# Altium PCB FIRE ARLARM_DEV.PcbDoc (part 1 of 2) (continued)
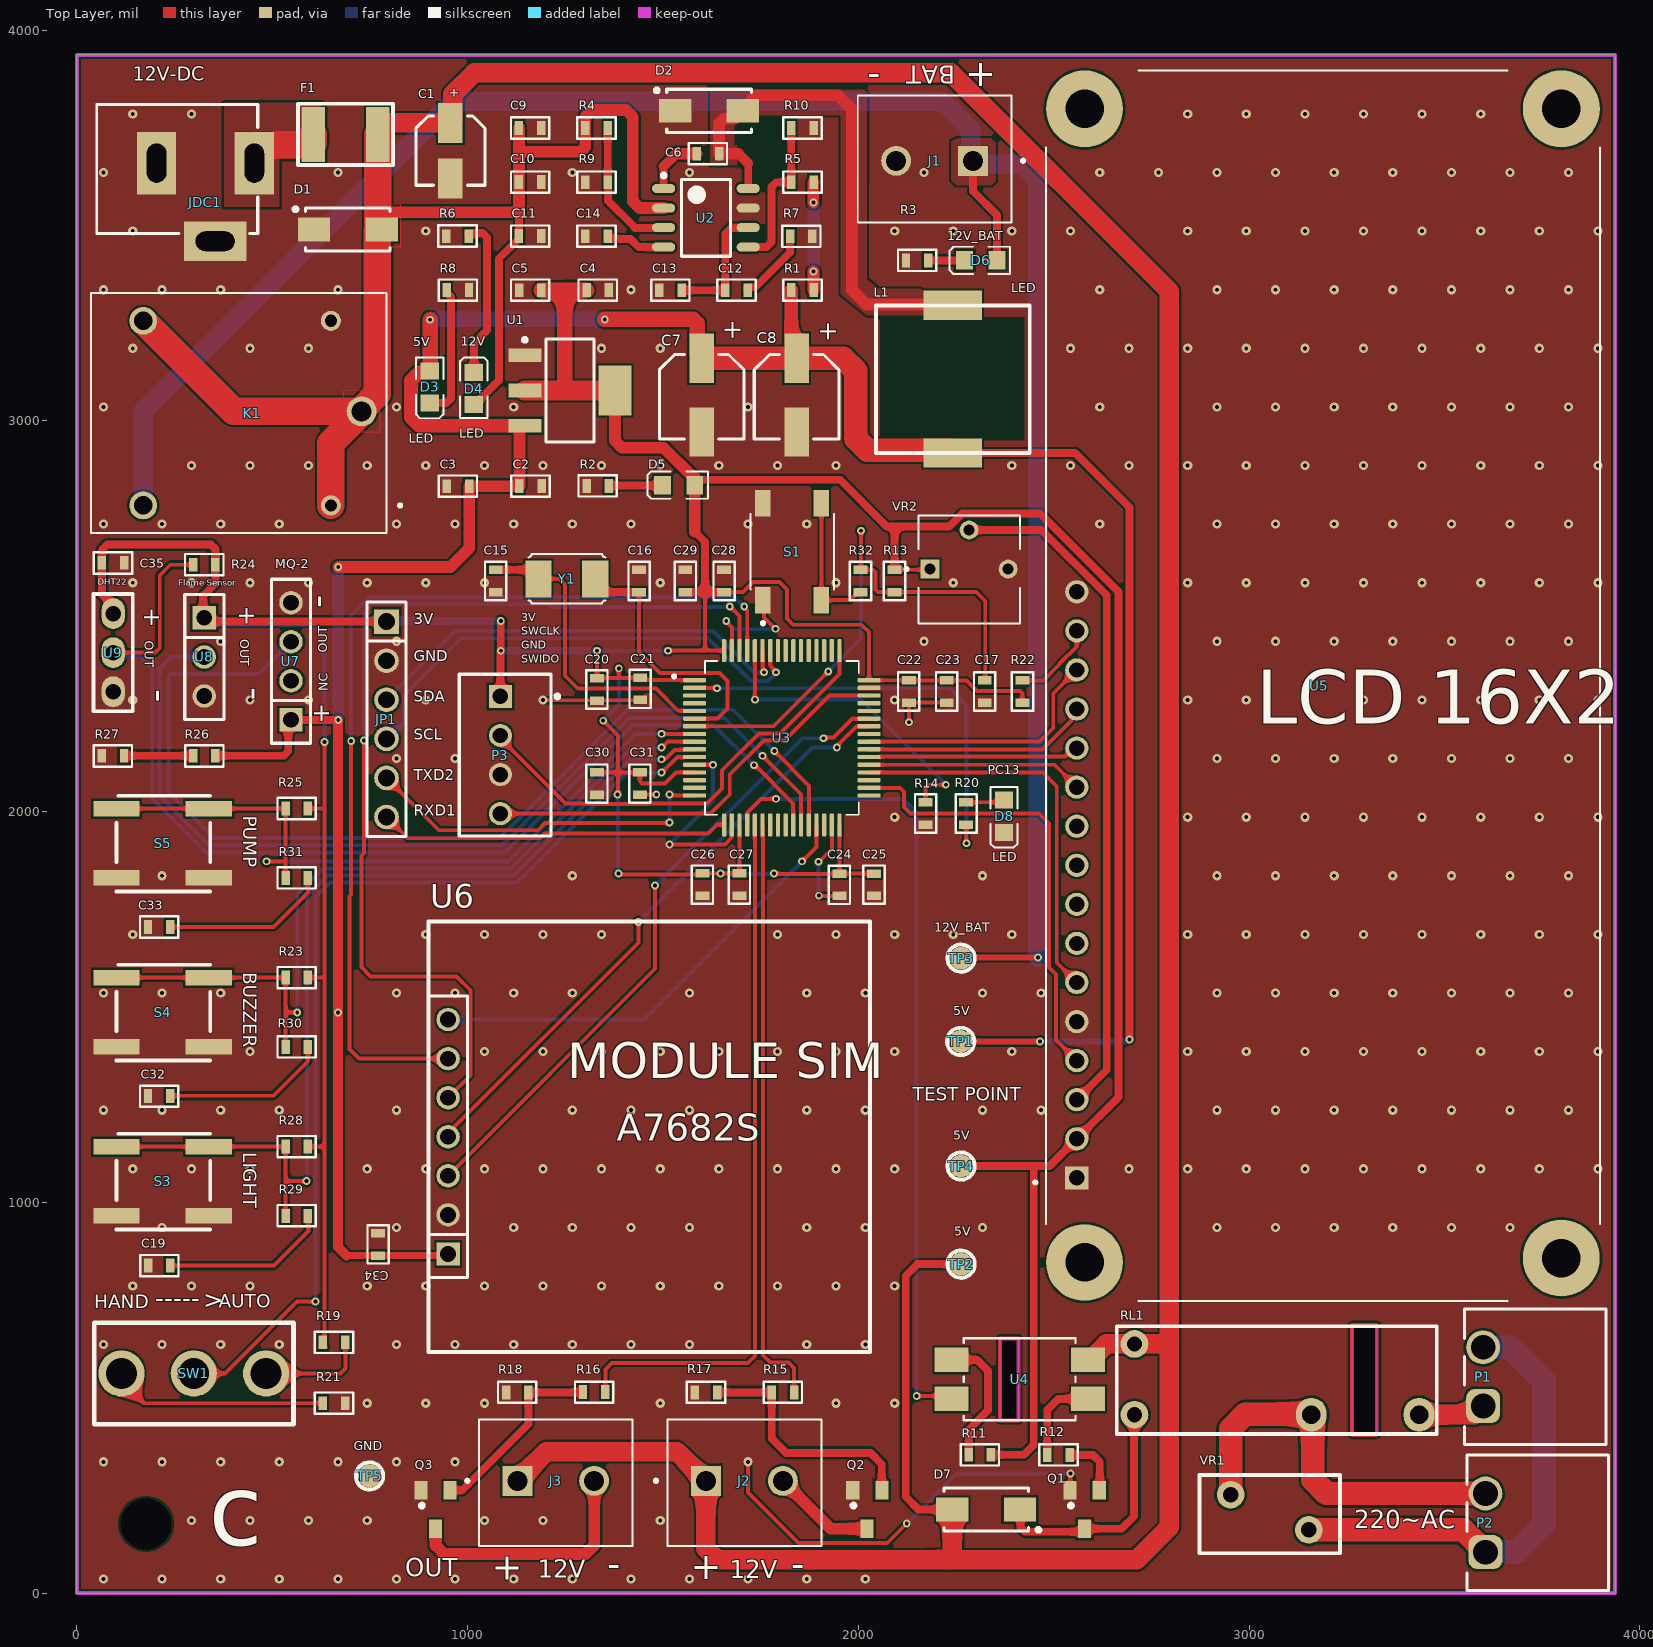
[diagram p0: Top Layer view]
## Part data (continued)
C11 C14: library part 01060310310, "CAP, size 0603, 10nF", Capacitance Tolerance=+/-10%, Operating Temperature="-55 to +125degC", Capacitance=10nF, ComponentLink1Description=Manufacturer, ComponentLink1URL=http://www.we-online.de, ComponentLink2Description=Datasheet, ComponentLink2URL=https://www.we-online.com/catalog/datasheet/885012206089.pdf, Mounting Technology=SMT, Packaging="Tape and Reel", Size=0603, Supply 1 Name="Wurth Elektronik", Supply 1 SN=885012206089, Supply 1 URL=https://www.we-online.com/en/components/products/WCAP-CSGP-50VDC?sq=885012206089#885012206089, Supply 2 Name=Thegioiic, Supply 2 URL=https://www.thegioiic.com/tu-gom-0603-10nf-50v
C13: library part 01060347310, "CAP, size 0603, 47nF", Capacitance=47nF, Capacitance Tolerance=+/-10%, Operating Temperature="-55 to +125degC", ComponentLink1Description=Manufacturer, ComponentLink1URL=http://www.we-online.de, ComponentLink2Description=Datasheet, ComponentLink2URL=https://www.we-online.com/catalog/datasheet/885012206093.pdf, Mounting Technology=SMT, Packaging="Tape and Reel", Size=0603, Supply 1 Name="Wurth Elektronik", Supply 1 SN=885012206093, Supply 1 URL=https://www.we-online.com/en/components/products/WCAP-CSGP-50VDC?sq=885012206093#885012206093, Supply 2 Name=Thegioiic, Supply 2 URL=https://www.thegioiic.com/tu-gom-0603-47nf-50v
C15 C16: library part 01060322010, "CAP, size 0603, 22pF", Capacitance Tolerance=+/-10%, Operating Temperature="-55 to +125degC", Capacitance=22pF, ComponentLink1Description=Manufacturer, ComponentLink1URL=Thegioiic, ComponentLink2Description=Datasheet, Mounting Technology=SMT, Packaging="Tape and Reel", Size=0603, Supply 2 Name=Thegioiic, Supply 2 URL=https://www.thegioiic.com/tu-gom-0603-22pf-50v
C31: library part 01060310510, "CAP, size 0603, 1uF", Capacitance=1uF, Capacitance Tolerance=+/-10%, Operating Temperature="-55 to +125degC", ComponentLink1Description=Manufacturer, ComponentLink1URL=http://www.we-online.de, ComponentLink2Description=Datasheet, ComponentLink2URL=https://www.we-online.com/components/products/datasheet/885012206126.pdf, Mounting Technology=SMT, Packaging="Tape and Reel", Size=0603, Supply 1 Name="Wurth Elektronik", Supply 1 SN=885012206126, Supply 1 URL=https://www.we-online.com/en/components/products/WCAP-CSGP-50VDC?sq=885012206126#885012206126, Supply 2 Name=Thegioiic, Supply 2 URL=https://www.thegioiic.com/tu-gom-0603-1uf-50v
D1 D2: "Schottky Diode", Code_JEDEC=DO-214-AA, LatestRevisionDate=17-Jul-2002, LatestRevisionNote="Re-released for DXP Platform.", PackageDescription="DO-214-AA/SMB; 2 C-Bend Leads; Body 5.3 x 3.6 mm, inc. leads (LxW)", PackageReference=SMB, Published=8-Jun-2000, Publisher="Altium Limited"
D3 D4 D5 D6 D8: "LED"
D7: library part "D Schottky", "Schottky Diode", Code_JEDEC=DO-214-AA, LatestRevisionDate=17-Jul-2002, LatestRevisionNote="Re-released for DXP Platform.", PackageDescription="DO-214-AA/SMB; 2 C-Bend Leads; Body 5.3 x 3.6 mm, inc. leads (LxW)", PackageReference=SMB, Published=8-Jun-2000, Publisher="Altium Limited"
F1: library part 061812200008, "Resettable Fuse, Size 1812, 8V, 2A", Hold Current=2A, Manufacturer=Littelfuse, Threshold Current=100A, Threshold Voltage=8V, Trip Current=4A, ComponentLink1Description="Datasheet link", ComponentLink1URL=https://www.littelfuse.com/~/media/electronics/product_specifications/resettable_ptcs/littelfuse_ptc_minismdc300f_2_product_specification.pdf.pdf, ComponentLink2Description="Supply 1 URL", ComponentLink2URL=https://www.mouser.vn/ProductDetail/Littelfuse/MINISMDC200F-2?qs=F6FIpiMdEVbPu4q%2F42CC1w%3D%3D, ComponentLink3Description="Supply 2 URL", ComponentLink3URL=https://www.digikey.com/en/products/detail/littelfuse-inc/MINISMDC200F-2/1045898?s=N4IgTCBcDaIAQFkCSA5JBlBARAwmADPgGIC0EAugL5A, ComponentLink4Description="Supply 3 URL", ComponentLink4URL=https://www.thegioiic.com/cau-chi-tu-phuc-hoi-1812-8v-2a, Mounting Technology=SMT/SMD, Size=1812, Supply 1 Name=Mouser, Supply 1 SN=650-MINISMDC200F-2, Supply 2 Name=Digikey, Supply 2 SN=MINISMDC200F-2TR-ND, Supply 3 Name=Thegioiic, Supply 3 SN=N/A
J1: "PCB Terminal Screw 5mm 16AWG 400V 17.5A 2 Position COMBICON PT Series", Package=None, Check_prices=https://www.snapeda.com/parts/1935161/Phoenix+Contact/view-part/?ref=eda, MF="Phoenix Contact", MP=1935161, SnapEDA_Link=https://www.snapeda.com/parts/1935161/Phoenix+Contact/view-part/?ref=snap
J2: library part Buzzer_12v
J3: library part Light_12V
JDC1: "Jack DC input"
JP1: library part "JP 1x6 2.54 Duc", "Cắm", Chung_Loai=Cắm, Don_Vi=Con, Ma_Hang=MH000904, Ten_Linh_Kien="Jump Đơn Đực 2.54MM 1x40P Cong Đứng"
K1: "General Purpose Non Latching 12VDC SPDT Through Hole Relays RoHS", Package="NON STANDARD-5 Songle Relay", Check_prices=https://www.snapeda.com/parts/SRD-12VDC-SL-C/Songle+Relay/view-part/?ref=eda, MF="Songle Relay", MP=SRD-12VDC-SL-C, SnapEDA_Link=https://www.snapeda.com/parts/SRD-12VDC-SL-C/Songle+Relay/view-part/?ref=snap
L1: library part 78477410, "WE-PD2A SMT Power Inductor, size 5848, 10uH, 2.2A", DC Resistance max.=0.1Ohm, DC Resistance typ.=0.078Ohm, Inductance=10uH, Manufacturer="Wurth Elektronik", Operating Temperature="-40 to +125degC", Rated Current=2.2A, Rated Voltage=80VDC, Saturation Current=2.5A, Self Resonant Frequency=26MHz, ComponentLink1Description=Manufacturer, ComponentLink1URL=http://www.we-online.de, ComponentLink2Description=Datasheet, ComponentLink2URL=https://www.we-online.com/catalog/datasheet/78477410.pdf, Manufacturer Part Number=78477410, Mounting Technology=SMT, Packaging="Tape and Reel", Published Date="May 2020", Size=5848, Supply 1 Name=Digi-Key, Supply 1 SN=732-6830-2-ND, Supply 1 URL=https://www.digikey.com/en/products/detail/w%C3%BCrth-elektronik/78477410/5168779?s=N4IgTCBcDaIOwA4Asc5IIwAYQF0C%2BQA, Supply 2 Name=Mouser, Supply 2 SN=710-78477410, Supply 2 URL=https://www.mouser.vn/ProductDetail/Wurth-Elektronik/78477410?qs=sBf%2Fb4nBSldlX6CYaJExDg%3D%3D, Supply 3 Name=thegioiic, Supply 3 URL=https://www.thegioiic.com/cuon-cam-dan-smd-cd53-5852-100-10uh-1-8a
P1 P2: "WR-TBL Series 322 Horizontal PCB Header, THT, pitch 3.81mm, 2p", Manufacturer="Wurth Elektronik", Operating Temperature Max=105°C, Operating Temperature Min=-40°C, Rated Current=10A, Working Voltage=300V, Application=Pluggable, Category="Terminal Blocks", ComponentLink1Description="Website Link", ComponentLink1URL=https://www.we-online.com/redexpert/article/691322310002?ad, ComponentLink2Description="Datasheet Link", ComponentLink2URL=https://www.we-online.com/redexpert/spec/691322310002?ad, Manufacturer Part Number=691322310002, Match Code=WR-TBL, Modularity=No, Mount="Through Hole", Number of Pins=2, Number of Rows=1, Orientation=Horizontal, Packaging=Box, Pitch=3.81mm, Supply 3 Name=ThegioiIC, Supply 3 URL 1=https://www.thegioiic.com/kf-3-81-2-r-terminal-block-plug-in-han-pcb-2-chan-cong-3-81mm-300v-10a, Supply 3 URL 2=https://www.thegioiic.com/ul-3-81-2-r-terminal-block-plug-in-han-pcb-2-chan-cong-3-81mm-300v-10a-ulo
P3: library part 61900411121, "WR-WTB THT Male Vertical Locking Header, pitch 2.54mm, 4p", Contact Resistance=20mOhm, Operating Temperature="-40 to +105degC", Rated Current=3A, Withstanding Voltage=1000VAC, Working Voltage=250VAC, ComponentLink1Description=Manufacturer, ComponentLink1URL=http://www.we-online.de, ComponentLink2Description=Datasheet, ComponentLink2URL=https://www.we-online.com/catalog/datasheet/61900411121.pdf, Gender=Male, Mounting Technology=THT, Packaging=Bag, Part Number=61900411121, Pin Number=4, Pitch=2.54mm, Published Date="January 2020", Publisher="Wurth Elektronik", Type=Vertical
Q1: library part BC817, "NPN Bipolar Transistor"
Q2 Q3: "NPN Bipolar Transistor"
R1: library part 0006030001, "RES, 0 Ohm, size 0603, 1%", Rated Power="1/4 W", Resistance=2.5K, Resistance tolerance=+/-5%, ComponentLink1Description="Datasheet link", Mounting Technology=SMT, Size=0603
R2: library part 0006032525, "RES, 2.5K Ohm, size 0603, 5%", Rated Power="1/4 W", Resistance=2.5K, Resistance tolerance=+/-5%, ComponentLink1Description="Datasheet link", Mounting Technology=SMT, Size=0603
R3 R6 R8: library part 0006035621, "RES, 5.6k Ohm, size 0603, 1%", Rated Power=1/4W, Resistance Tolerant=+/-1%, ComponentLink1Description="Datasheet link", ComponentLink1URL=https://api.pim.na.industrial.panasonic.com/file_stream/main/fileversion/4484, ComponentLink2Description="Supply 1 URL", ComponentLink2URL=https://www.mouser.vn/ProductDetail/Panasonic/ERJ-UP3F5601V?qs=sGAEpiMZZMvdGkrng054twq3eZrCFN89ezYxgAsnxBTZYD17cS%252B65A%3D%3D, ComponentLink3Description="Supply 2 URL", ComponentLink3URL=https://www.digikey.com/en/products/detail/panasonic-electronic-components/ERJ-UP3F5601V/12092890, Mounting Technology=SMT, Resistance=5.6k, Size=0603, Supply 1 Name=Mouser, Supply 1 SN=667-ERJ-UP3F5601V, Supply 2 Name=Digikey, Supply 2 SN="10-ERJ-UP3F5601VTR-ND 10-ERJ-UP3F5601VCT-ND 10-ERJ-UP3F5601VDKR-ND"
R4: library part 0006031041, "RES, 100k Ohm, size 0603, 1%", Rated Power=1/4W, Resistance Tolerant=+/-1%, ComponentLink1Description="Datasheet link", ComponentLink1URL=https://www.yageo.com/upload/media/product/productsearch/datasheet/rchip/PYu-SR_20105_RoHS_L_10.pdf, ComponentLink2Description="Supply 1 URL", ComponentLink2URL=https://www.mouser.vn/ProductDetail/YAGEO/SR0603FR-7T100KL?qs=sGAEpiMZZMvdGkrng054tz1y1XEHv7sNa%252BA%2F4WiDMf7aGw4zRBb%2FFQ%3D%3D, ComponentLink3Description="Supply 2 URL", ComponentLink3URL=https://www.digikey.com/en/products/detail/yageo/SR0603FR-7T100KL/9373095, Mounting Technology=SMT, Resistance=100k, Size=0603, Supply 1 Name=Mouser, Supply 1 SN=603-SR0603FR-7T100KL, Supply 2 Name=Digikey, Supply 2 SN="YAG5821TR-ND YAG5821CT-ND YAG5821DKR-ND"
R5: library part 0006038251, "RES, 8.2 kOhms, size 0603, 1%", Rated Power="1/4 W", Resistance=8.2K, Resistance tolerance=+/-1%, ComponentLink1Description="Datasheet link", Mounting Technology=SMT, Size=0603, Supply 1 Name=Mouser, Supply 1 SN=660-HV731JTTD8204F, Supply 1 URL=https://www.mouser.vn/ProductDetail/KOA-Speer/HV731JTTD8204F?qs=ZqVPfSd1khqN0teaqWW7DA%3D%3D, Supply 2 Name=Digi-Key, Supply 2 SN=13-RC0603FR-078M2LTR-ND, Supply 2 URL=https://www.digikey.com/en/products/detail/yageo/RC0603FR-078M2L/5918418
R7: library part 0006033205, "RES, 30k Ohm, size 0603, 1%", Rated Power="1/4 W", Resistance tolerance=+/-1%, ComponentLink1Description="Datasheet link", Mounting Technology=SMT, Resistance=30k, Size=0603
R9: library part 0006032031, "RES, 20 kOhms, size 0603, 1%", Rated Power="1/4 W", Resistance="20 k", Resistance tolerance=+/-1%, ComponentLink1Description="Datasheet link", Mounting Technology=SMT, Size=0603, Supply 1 Name=Mouser, Supply 1 SN=667-ERJ-S03F2002V, Supply 1 URL=https://www.mouser.vn/ProductDetail/Panasonic/ERJ-S03F2002V?qs=Zyl8A9hlmJopfTdqNIDujw%3D%3D, Supply 2 Name=Digi-Key, Supply 2 SN=13-RC0603FR-1320KLTR-ND, Supply 2 URL=https://www.digikey.com/en/products/detail/yageo/RC0603FR-1320KL/13694225
R10 R20: library part 0006031521, "RES, 1.5 kOhms, size 0603, 1%", Rated Power="1/4 W", Resistance="1.5 k", Resistance tolerance=+/-1%, ComponentLink1Description="Datasheet link", Mounting Technology=SMT, Size=0603, Supply 1 Name=Mouser, Supply 1 SN=755-SFR03EZPF1501, Supply 1 URL=https://www.mouser.vn/ProductDetail/ROHM-Semiconductor/SFR03EZPF1501?qs=byeeYqUIh0NryWvnzlukLQ%3D%3D, Supply 2 Name=Digi-Key, Supply 2 SN=13-RC0603FR-071R5LTR-ND, Supply 2 URL=https://www.digikey.com/en/products/detail/yageo/RC0603FR-071R5L/5918292
R11: library part 0006032211, "RES, 220 Ohm, size 0603, 1%", Rated Power=1/4W, Resistance Tolerant=+/-1%, ComponentLink1Description="Datasheet link", ComponentLink1URL=https://api.pim.na.industrial.panasonic.com/file_stream/main/fileversion/4484, ComponentLink2Description="Supply 1 URL", ComponentLink2URL=https://www.mouser.vn/ProductDetail/Panasonic/ERJ-UP3F2200V?qs=sGAEpiMZZMvdGkrng054twq3eZrCFN89E%252BhCXuCu3h8RslmTO1I28Q%3D%3D, ComponentLink3Description="Supply 2 URL", ComponentLink3URL=https://www.digikey.com/en/products/detail/panasonic-electronic-components/ERJ-UP3F2200V/12092129, Mounting Technology=SMT, Resistance=220, Size=0603, Supply 1 Name=Mouser, Supply 1 SN=667-ERJ-UP3F2200V, Supply 2 Name=Digikey, Supply 2 SN="10-ERJ-UP3F2200VTR-ND 10-ERJ-UP3F2200VCT-ND 10-ERJ-UP3F2200VDKR-ND"
R12: library part 0006032221, "RES, 2.2k Ohm, size 0603, 1%", Rated Power=1/4W, Resistance Tolerant=+/-1%, ComponentLink1Description="Datasheet link", ComponentLink1URL=https://api.pim.na.industrial.panasonic.com/file_stream/main/fileversion/4484, ComponentLink2Description="Supply 1 URL", ComponentLink2URL=https://www.mouser.vn/ProductDetail/Panasonic/ERJ-UP3F2201V?qs=sGAEpiMZZMvdGkrng054twq3eZrCFN89KeaXYJ5LTWyJgfuuVVfZrw%3D%3D, ComponentLink3Description="Supply 2 URL", ComponentLink3URL=https://www.digikey.com/en/products/detail/panasonic-electronic-components/ERJ-UP3F2201V/12092708, ComponentLink4Description="Supply 3 URL", ComponentLink4URL=https://www.thegioiic.com/dien-tro-2-2-kohm-0603-1, Mounting Technology=SMT, Resistance=2.2k, Size=0603, Supply 1 Name=Mouser, Supply 1 SN=667-ERJ-UP3F2201V, Supply 2 Name=Digikey, Supply 2 SN="10-ERJ-UP3F2201VTR-ND 10-ERJ-UP3F2201VCT-ND 10-ERJ-UP3F2201VDKR-ND", Supply 3 Name=thegioiic, Supply 3 SN=NA
R13 R14 R19 R23 R25 R28: library part 0006031031, "RES, 10k Ohm, size 0603, 1%", Rated Power=1/4W, Resistance Tolerant=+/-1%, ComponentLink1Description="Datasheet link", ComponentLink1URL=https://fscdn.rohm.com/en/products/databook/datasheet/passive/resistor/chip_resistor/esr-e.pdf, ComponentLink2Description="Supply 1 URL", ComponentLink2URL=https://www.mouser.vn/ProductDetail/ROHM-Semiconductor/ESR03EZPF1002?qs=sGAEpiMZZMvdGkrng054t67Efho1F8r6CDeAsqwFse8%3D, ComponentLink3Description="Supply 2 URL", ComponentLink3URL=https://www.digikey.com/en/products/detail/rohm-semiconductor/ESR03EZPF1002/1983429, Mounting Technology=SMT, Resistance=10k, Size=0603, Supply 1 Name=Mouser, Supply 1 SN=755-ESR03EZPF1002, Supply 2 Name=Digikey, Supply 2 SN="RHM10KADTR-ND RHM10KADCT-ND RHM10KADDKR-ND"
R15: library part 0006032221, "RES, 75 Ohm, size 0603, 1%", Rated Power=1/4W, Resistance=2.2k, Resistance Tolerant=+/-1%, ComponentLink1Description="Datasheet link", ComponentLink1URL=https://api.pim.na.industrial.panasonic.com/file_stream/main/fileversion/4484, ComponentLink2Description="Supply 1 URL", ComponentLink2URL=https://www.mouser.vn/ProductDetail/Panasonic/ERJ-UP3F2201V?qs=sGAEpiMZZMvdGkrng054twq3eZrCFN89KeaXYJ5LTWyJgfuuVVfZrw%3D%3D, ComponentLink3Description="Supply 2 URL", ComponentLink3URL=https://www.digikey.com/en/products/detail/panasonic-electronic-components/ERJ-UP3F2201V/12092708, ComponentLink4Description="Supply 3 URL", ComponentLink4URL=https://www.thegioiic.com/dien-tro-2-2-kohm-0603-1, Mounting Technology=SMT, Size=0603, Supply 1 Name=Mouser, Supply 1 SN=667-ERJ-UP3F2201V, Supply 2 Name=Digikey, Supply 2 SN="10-ERJ-UP3F2201VTR-ND 10-ERJ-UP3F2201VCT-ND 10-ERJ-UP3F2201VDKR-ND", Supply 3 Name=thegioiic, Supply 3 SN=NA
R16: library part 0006032221, "RES, 1.2k Ohm, size 0603, 1%", Rated Power=1/4W, Resistance=2.2k, Resistance Tolerant=+/-1%, ComponentLink1Description="Datasheet link", ComponentLink1URL=https://api.pim.na.industrial.panasonic.com/file_stream/main/fileversion/4484, ComponentLink2Description="Supply 1 URL", ComponentLink2URL=https://www.mouser.vn/ProductDetail/Panasonic/ERJ-UP3F2201V?qs=sGAEpiMZZMvdGkrng054twq3eZrCFN89KeaXYJ5LTWyJgfuuVVfZrw%3D%3D, ComponentLink3Description="Supply 2 URL", ComponentLink3URL=https://www.digikey.com/en/products/detail/panasonic-electronic-components/ERJ-UP3F2201V/12092708, ComponentLink4Description="Supply 3 URL", ComponentLink4URL=https://www.thegioiic.com/dien-tro-2-2-kohm-0603-1, Mounting Technology=SMT, Size=0603, Supply 1 Name=Mouser, Supply 1 SN=667-ERJ-UP3F2201V, Supply 2 Name=Digikey, Supply 2 SN="10-ERJ-UP3F2201VTR-ND 10-ERJ-UP3F2201VCT-ND 10-ERJ-UP3F2201VDKR-ND", Supply 3 Name=thegioiic, Supply 3 SN=NA
R17 R18: library part 0006032221, "RES, 10k Ohm, size 0603, 1%", Rated Power=1/4W, Resistance=2.2k, Resistance Tolerant=+/-1%, ComponentLink1Description="Datasheet link", ComponentLink1URL=https://api.pim.na.industrial.panasonic.com/file_stream/main/fileversion/4484, ComponentLink2Description="Supply 1 URL", ComponentLink2URL=https://www.mouser.vn/ProductDetail/Panasonic/ERJ-UP3F2201V?qs=sGAEpiMZZMvdGkrng054twq3eZrCFN89KeaXYJ5LTWyJgfuuVVfZrw%3D%3D, ComponentLink3Description="Supply 2 URL", ComponentLink3URL=https://www.digikey.com/en/products/detail/panasonic-electronic-components/ERJ-UP3F2201V/12092708, ComponentLink4Description="Supply 3 URL", ComponentLink4URL=https://www.thegioiic.com/dien-tro-2-2-kohm-0603-1, Mounting Technology=SMT, Size=0603, Supply 1 Name=Mouser, Supply 1 SN=667-ERJ-UP3F2201V, Supply 2 Name=Digikey, Supply 2 SN="10-ERJ-UP3F2201VTR-ND 10-ERJ-UP3F2201VCT-ND 10-ERJ-UP3F2201VDKR-ND", Supply 3 Name=thegioiic, Supply 3 SN=NA
R21 R26: library part 0006031031, "RES, 1k Ohm, size 0603, 1%", Rated Power=1/4W, Resistance=10k, Resistance Tolerant=+/-1%, ComponentLink1Description="Datasheet link", ComponentLink1URL=https://fscdn.rohm.com/en/products/databook/datasheet/passive/resistor/chip_resistor/esr-e.pdf, ComponentLink2Description="Supply 1 URL", ComponentLink2URL=https://www.mouser.vn/ProductDetail/ROHM-Semiconductor/ESR03EZPF1002?qs=sGAEpiMZZMvdGkrng054t67Efho1F8r6CDeAsqwFse8%3D, ComponentLink3Description="Supply 2 URL", ComponentLink3URL=https://www.digikey.com/en/products/detail/rohm-semiconductor/ESR03EZPF1002/1983429, Mounting Technology=SMT, Size=0603, Supply 1 Name=Mouser, Supply 1 SN=755-ESR03EZPF1002, Supply 2 Name=Digikey, Supply 2 SN="RHM10KADTR-ND RHM10KADCT-ND RHM10KADDKR-ND"
R22: library part 0006032221, "RES, 330 Ohm, size 0603, 1%", Rated Power=1/4W, Resistance=2.2k, Resistance Tolerant=+/-1%, ComponentLink1Description="Datasheet link", ComponentLink1URL=https://api.pim.na.industrial.panasonic.com/file_stream/main/fileversion/4484, ComponentLink2Description="Supply 1 URL", ComponentLink2URL=https://www.mouser.vn/ProductDetail/Panasonic/ERJ-UP3F2201V?qs=sGAEpiMZZMvdGkrng054twq3eZrCFN89KeaXYJ5LTWyJgfuuVVfZrw%3D%3D, ComponentLink3Description="Supply 2 URL", ComponentLink3URL=https://www.digikey.com/en/products/detail/panasonic-electronic-components/ERJ-UP3F2201V/12092708, ComponentLink4Description="Supply 3 URL", ComponentLink4URL=https://www.thegioiic.com/dien-tro-2-2-kohm-0603-1, Mounting Technology=SMT, Size=0603, Supply 1 Name=Mouser, Supply 1 SN=667-ERJ-UP3F2201V, Supply 2 Name=Digikey, Supply 2 SN="10-ERJ-UP3F2201VTR-ND 10-ERJ-UP3F2201VCT-ND 10-ERJ-UP3F2201VDKR-ND", Supply 3 Name=thegioiic, Supply 3 SN=NA
R24: library part 0006031031, "RES, 4.7k Ohm, size 0603, 1%", Rated Power=1/4W, Resistance=10k, Resistance Tolerant=+/-1%, ComponentLink1Description="Datasheet link", ComponentLink1URL=https://fscdn.rohm.com/en/products/databook/datasheet/passive/resistor/chip_resistor/esr-e.pdf, ComponentLink2Description="Supply 1 URL", ComponentLink2URL=https://www.mouser.vn/ProductDetail/ROHM-Semiconductor/ESR03EZPF1002?qs=sGAEpiMZZMvdGkrng054t67Efho1F8r6CDeAsqwFse8%3D, ComponentLink3Description="Supply 2 URL", ComponentLink3URL=https://www.digikey.com/en/products/detail/rohm-semiconductor/ESR03EZPF1002/1983429, Mounting Technology=SMT, Size=0603, Supply 1 Name=Mouser, Supply 1 SN=755-ESR03EZPF1002, Supply 2 Name=Digikey, Supply 2 SN="RHM10KADTR-ND RHM10KADCT-ND RHM10KADDKR-ND"
R27: library part 0006031031, "RES, 2k Ohm, size 0603, 1%", Rated Power=1/4W, Resistance=10k, Resistance Tolerant=+/-1%, ComponentLink1Description="Datasheet link", ComponentLink1URL=https://fscdn.rohm.com/en/products/databook/datasheet/passive/resistor/chip_resistor/esr-e.pdf, ComponentLink2Description="Supply 1 URL", ComponentLink2URL=https://www.mouser.vn/ProductDetail/ROHM-Semiconductor/ESR03EZPF1002?qs=sGAEpiMZZMvdGkrng054t67Efho1F8r6CDeAsqwFse8%3D, ComponentLink3Description="Supply 2 URL", ComponentLink3URL=https://www.digikey.com/en/products/detail/rohm-semiconductor/ESR03EZPF1002/1983429, Mounting Technology=SMT, Size=0603, Supply 1 Name=Mouser, Supply 1 SN=755-ESR03EZPF1002, Supply 2 Name=Digikey, Supply 2 SN="RHM10KADTR-ND RHM10KADCT-ND RHM10KADDKR-ND"
R29 R30 R31 R32: library part 0006031031, "RES, 220 Ohm, size 0603, 1%", Rated Power=1/4W, Resistance=10k, Resistance Tolerant=+/-1%, ComponentLink1Description="Datasheet link", ComponentLink1URL=https://fscdn.rohm.com/en/products/databook/datasheet/passive/resistor/chip_resistor/esr-e.pdf, ComponentLink2Description="Supply 1 URL", ComponentLink2URL=https://www.mouser.vn/ProductDetail/ROHM-Semiconductor/ESR03EZPF1002?qs=sGAEpiMZZMvdGkrng054t67Efho1F8r6CDeAsqwFse8%3D, ComponentLink3Description="Supply 2 URL", ComponentLink3URL=https://www.digikey.com/en/products/detail/rohm-semiconductor/ESR03EZPF1002/1983429, Mounting Technology=SMT, Size=0603, Supply 1 Name=Mouser, Supply 1 SN=755-ESR03EZPF1002, Supply 2 Name=Digikey, Supply 2 SN="RHM10KADTR-ND RHM10KADCT-ND RHM10KADDKR-ND"
RL1: "SeriesHF46F 12V 1 Form A 1A Gold Plated SUBMINIATURE INTERMEDIATE POWER RELAY", Package=None, Availability="Not in stock", Check_prices=https://www.snapeda.com/parts/HF46F/Hongfa/view-part/?ref=eda, MF=Hongfa, MP=HF46F, Price=None, SnapEDA_Link=https://www.snapeda.com/parts/HF46F/Hongfa/view-part/?ref=snap
S1: "Nút Nhấn 4x4mm Cao 1.5mm 4 Chân SMD Chống Nước", Package=None, Availability=Unavailable, MP=8-1437565-1, Price=None
S3 S4 S5: "Tactile Switch, 6x6mm"
SW1: "SS-12D10 Công Tắc Trượt 3 Chân Xuyên Lỗ ON-OFF 1P2T 0.5A"
TP1 TP2 TP3 TP4 TP5: "Test point, 2mm radius"
U1: "AMS1117-3.3V, OUT 3.3V 1A.", Current Output Maximum=1A, Manufacturer=AMS, Voltage Input Maximum=15V, Voltage Output=3.3V, Datasheet=http://www.advanced-monolithic.com/pdf/ds1117.pdf, Mounting Technology=SMD, Pad Count=4, Supplier 3 Link=https://www.thegioiic.com/ams1117-3-3v-ic-on-ap-3-3v-1a-sot-223, Supplier 3 Name=ThegioiIC
U2: library part TPS54231, "Buck Switching Regulator IC Positive Adjustable 0.8V 1 Output 2A 8-SOIC (0.154\", 3.90mm Width)", Current - Output=2A, Frequency - Switching=570kHz, Mfr="Texas Instruments", Operating Temperature="-40°C ~ 150°C (TJ)", Voltage - Input (Max)=28V, Voltage - Input (Min)=3.5V, Voltage - Output (Max)=25V, Voltage - Output (Min/Fixed)=0.8V, Category="Integrated Circuits (ICs)", ComponentLink1Description=Thegioiic, ComponentLink1URL=https://www.thegioiic.com/tps54231dr-ic-dieu-chinh-giam-ap-2a-8-soic, ComponentLink2Description=Datasheet, ComponentLink2URL=https://www.ti.com/lit/ds/symlink/tps54231.pdf, Function=Step-Down, Mounting Type="Surface Mount", Number of Outputs=1, Output Configuration=Positive, Output Type=Adjustable, Topology=Buck
U3: "ARMÂ® CortexÂ®-M3 STM32F1 Microcontroller IC 32-Bit 72MHz 256KB (256K x 8) FLASH 64-LQFP (10x10)", Package="LQFP-64 STMicroelectronics", Availability="In Stock", Check_prices=https://www.snapeda.com/parts/STM32F103RCT6/STMicroelectronics/view-part/?ref=eda, MF=STMicroelectronics, MP=STM32F103RCT6, Price=None, Purchase-URL=https://pricing.snapeda.com/search/part/STM32F103RCT6/?ref=eda, SnapEDA_Link=https://www.snapeda.com/parts/STM32F103RCT6/STMicroelectronics/view-part/?ref=snap
U4: "PC817 series, SMD, I_F (max) = 500mA, V_F (max) = 1.4V. / Breakdown voltage: BV_CE = 80V, BV_BE = 6V."
U5: "Display; Display: LCD 2x16 characters (blue backlight)", Package="TQFP-64 mikroElektronika", Check_prices=https://www.snapeda.com/parts/LCD%202X16/mikroElektronika/view-part/?ref=eda, MF=mikroElektronika, MP="LCD 2X16", SnapEDA_Link=https://www.snapeda.com/parts/LCD%202X16/mikroElektronika/view-part/?ref=snap
U6: library part Module_A7682S_V2, "Module 4G A7682S Volte Ra chân V2 TDM2431, 4.5-16V, 28×26.8×5.5mm, Mức logic I/OTTL( Serial 3.3V)"
U7: "Nguồn: 5VDC, Dòng: 150mA, đầu ra: digital analog."
U8: "LM393, 3 Chân, Nguồn: 3.3-5VDC, góc quét 60 độ, ngõ ra Digital, 32x14mm"
U9: library part DHT11_Module, "Temperature & Humidity Sensor, 3.3V-5V, 5mA"
VR1: library part "07D471K 470V", "07D471K 470V"
VR2: library part 3362P-1-503, "10 kOhms 0.5W, 1/2W PC Pins Through Hole Trimmer Potentiometer Cermet 1 Turn Top Finger Adjustment", Package="3116 Bourns", Availability=Warning, Check_prices=https://www.snapeda.com/parts/3362P-1-503/Bourns/view-part/1483011/?ref=eda, MF=Bourns, MP=3362P-1-503, Price=None, Purchase-URL=https://pricing.snapeda.com/search/part/3362P-1-503/?ref=eda, SnapEDA_Link=https://www.snapeda.com/parts/3362P-1-503/Bourns/view-part/1483011/?ref=snap
Y1: "SMD Crystal 12Mhz-20pF-20ppm-40R;", Package=None, Availability=Unavailable, MF=Xinhunjing, MP=5032/2P, Price=None, SnapEDA_Link=https://www.snapeda.com/parts/5032/2P/Xinhunjing/view-part/105659/?ref=snap

## Free pads (board coordinates)
  round 60 hole 129.92: 1(177.17,177.17)

## Via types
v1: diameter 23.62, hole 10, Top Layer to Bottom Layer, tented both sides, 359 vias
v2: diameter 20, hole 10, Top Layer to Bottom Layer, tented both sides, 63 vias

## Nets (pads, with @x,y where several pads share a name; then routed paths per layer and width w, separated by ;. In a path a pad name is that pad's centre, name@x,y a point inside that pad or via, vN(x,y) a via of type N, cw(c..) or ccw(c..) an arc to the next point about the centre after c; other vN are vias at no path point)
+3V3: C4.2 C5.2 C20.2 C21.2 C22.2 C23.2 C24.2 C25.1 C26.2 C27.2 C28.2 C29.2 C30.2 C31.2 C35.2 D5.1 JP1.1 P3.1 R11.1 R13.2 R19.2 R22.2 R23.1 R24.2 R25.1 R28.1 TP4.1 U1.2 U1.4 U3.1 U3.13 U3.19 U3.32 U3.48 U3.64 U5.2 U8.1 U9.1 VR2.1 | length 13242.7
  Top Layer w10: R28.1@591.09,1143.06 634,1143.06 ; R23.1@591.09,1575.67 633.14,1575.67 634,1576.53 ; R25.1@591.09,2008.28 632.28,2008.28 634,2010 ; v2(634,2178) 634,2010 ; R19.2@638.14,629.28 635.28,629.28 629.46,635.11 R19.2@629.46,642 634,646.54 634,1143.06 ; C30.2@1331,2100.46 1385,2100.46 ; v2(1331,2412) C20.2@1331,2341.54 1331.77,2342.31 1386.5,2342.31 ; v2(1347,2233) 1385,2195 1385,2100.46 ; v2(1384,2044) 1385,2045 1385,2100.46 ; v2(1386,1842) 1388.71,1842 1391.75,1838.95 1597.95,1838.95 C26.2@1601,1842 v2(1647.58,1842) C27.2@1695.96,1842 U3.19@1695.96,1965.82 ; v2(1387,2367) 1387,2342.81 1386.5,2342.31 ; v2(1513,2412) 1513.28,2412.28 1608,2412.28 ; U3.13@1581,2100.46 1533.8,2100.46 1505.34,2072 1446.86,2072 1441,2077.86 C31.2@1441,2100.46 1385,2100.46 ; U3.1@1581,2336.68 1455.29,2336.68 1448.89,2343.09 C21.2@1442,2343.09 1441.23,2342.31 1386.5,2342.31 ; 1608,2561.91 1608,2412.28 ; U3.64@1655.86,2436.61 1656.08,2436.61 1656.59,2436.09 U3.64@1656.59,2412.28 1608,2412.28 ; C28.2@1656.59,2561.63 C28.2@1656.31,2561.91 1704.95,2561.91 1730.84,2587.8 1798.2,2587.8 1817,2569 1817,2494 1832.64,2478.36 2008.64,2478.36 2027.46,2459.54 U3.48@2027.46,2336.68 2027.76,2336.38 2129.05,2336.38 C22.2@2129.35,2336.08 C23.2@2226.42,2336.08 2276.56,2336.08 2303.64,2309 2414.14,2309 2420,2303.14 R22.2@2420,2278.78 ; v2@1784.77,1840.77 1951.09,1840.77 C24.2@1951.87,1841.54 ; U3.32@1951.87,1965.82 C24.2@1951.87,1841.54 ; C25.1@2040,1841.54 C24.2@1951.87,1841.54 ; R13.2@2093,2619.21 2181.68,2619.21 VR2.1@2183.46,2621 ; 634,1143.06 634,1576.53 ; 634,1576.53 634,2010
  Top Layer w20: U9.1@98.5,2501.5 U9.1@93,2507 93,2527.41 63.91,2556.5 C35.2@63.91,2637 64.74,2637.83 64.74,2670.74 78,2684 342.93,2684 354.65,2672.28 R24.2@354.65,2632 354.65,2584.65 323,2553 U8.1@323,2499 ; U8.1@320.5,2501.5 U8.1@323,2499 ; JP1.1@792.38,2486.43 791.72,2487.08 334.92,2487.08 U8.1@326,2496 U8.1@323,2499 ; P3.1@1084,2295 v2@1084,2412 ; v2(1085,2412) v2(1085,2488) ; C29.2@1557,2561.91 1608,2561.91 ; 1581.34,2716.66 1608,2690 1608,2561.91 ; D5.1@1592.99,2849.62 1953.38,2849.62 2073,2730 2093,2730 ; C28.2@1656.31,2561.91 1608,2561.91 ; R13.2@2093,2619.21 2093,2730 ; TP4.1@2270.47,1094.19 2293.05,1094.19 2294.24,1093 2449,1093 2489.54,1093 U5.2@2559.31,1162.78 2666,1269.46 2666,2563.13 2466.07,2763.06 2266.04,2763.06 2232.99,2730 2093,2730 ; R11.1@2339.54,354 2424,354 2449,379 2449,1092
  Top Layer w30: U1.4@1377.35,3078 1377.35,2949.22 1394.93,2931.65 1501.35,2931.65 D5.1@1581.34,2851.66 ; 1581.34,2716.66 D5.1@1581.34,2836 D5.1@1581.34,2856.66
  Top Layer w40: C5.2@1188.76,3334.44 1189.04,3334.72 1248.56,3334.72 ; 1248.56,3078 1248.56,3334.72 ; C4.2@1304.46,3335 1304.18,3334.72 1248.56,3334.72
  Top Layer w50: U1.2@1146.65,3078 1248.56,3078 U1.4@1377.35,3078
  Bottom Layer w10: U8.1@326,2496 344.08,2477.92 603.08,2477.92 634,2447 v2(634,2178) ; v2(1331,2412) v2(1513,2412) ; v2(1347,2233) 1387,2273 v2(1387,2367) ; v2(1384,2044) 1385,2043 1385,1843 v2(1386,1842) ; v2(1647.58,1842) 1648.58,1841 1783,1841 v2@1784,1840
  Bottom Layer w20: JP1.1@792.38,2486.43 793.95,2488 v2(1085,2488) ; v2(1085,2412) v2(1331,2412)
  other v2: 1784,1842
+5V: C2.2 C3.2 C7.1 C8.1 C34.2 D3.1 L1.2 R1.2 R26.1 TP1.1 U1.3 U6.1 U7.1 | length 7908.9
  Top Layer w15: TP1.1@2263,1399 2274.92,1399 2287.92,1412 v2@2463.65,1412
  Top Layer w18: 690,864 C34.2@771,864 946,864 U6.1@950,868
  Top Layer w20: R26.1@354.54,2143 529.08,2143 540.79,2154.72 540.79,2227.79 U7.1@548,2235 v2(669,2235) ; D3.1@903,3128.34 D3.1@904,3129.34 ; C2.2@1132.34,2833.28 C2.2@1132.62,2833.56 ; U1.3@1132.62,2980.13 1140.34,2987.84 U1.3@1146.65,2987.84 ; L1.2@2242,2918.05 2554.95,2918.05 2694,2779 v2(2694,1417)
  Top Layer w25: v2@668,2234 v2(668,1486) 668,886 690,864
  Top Layer w30: v2(669,2626) 956,2626 1004.04,2674.04 1004.04,2833.28 C2.2@1132.34,2833.28 ; C2.2@1132.62,2833.56 U1.3@1132.62,2980.13
  Top Layer w35: D3.1@896.88,3128.34 896.88,3124.19 875.45,3124.19 854.95,3103.68 854.95,3008.35 875.45,2987.84 U1.3@1140.34,2987.84 ; C8.1@1828.46,3167.03 R1.2@1828.46,3335
  Top Layer w40: D3.1@904,3129.34 v2(904,3259) ; v2(1351,3260) 1577,3260 1587.5,3249.5 1587.5,3171.98 C7.1@1599,3160.49
  Top Layer w50: L1.2@2235.05,2925 L1.2@2242,2918.05
  Top Layer w60: C7.1@1599,3160.49 C8.1@1835.5,3160.49 ; C8.1@1842,3160.49 1961.51,3160.49 1994,3128 1994,2954.29 2023.29,2925 L1.2@2235.05,2925
  Bottom Layer w15: v2(2465,1412) 2687.65,1412 2692.65,1417 v2(2694,1417)
  Bottom Layer w20: v2(668,1486) v2@670,1484
  Bottom Layer w30: v2(669,2235) v2(669,2626)
  Bottom Layer w40: v2(904,3259) 905,3260 v2(1351,3260)